# Altium PCB CM4-Tower.PcbDoc (part 10 of 10)
Units mil, origin at the board's own origin, x right, y up, seen from the top; angles counter-clockwise.
Board outline 1968.5 x 5354.33 mil, 8 copper layers (Top Layer, Layer 2, Layer 3, Layer 4, Layer 5, Layer 6, Layer 7, Bottom Layer), stack 61.408 mil thick; 632 components, 480 nets, 2338 pads, 1074 vias.
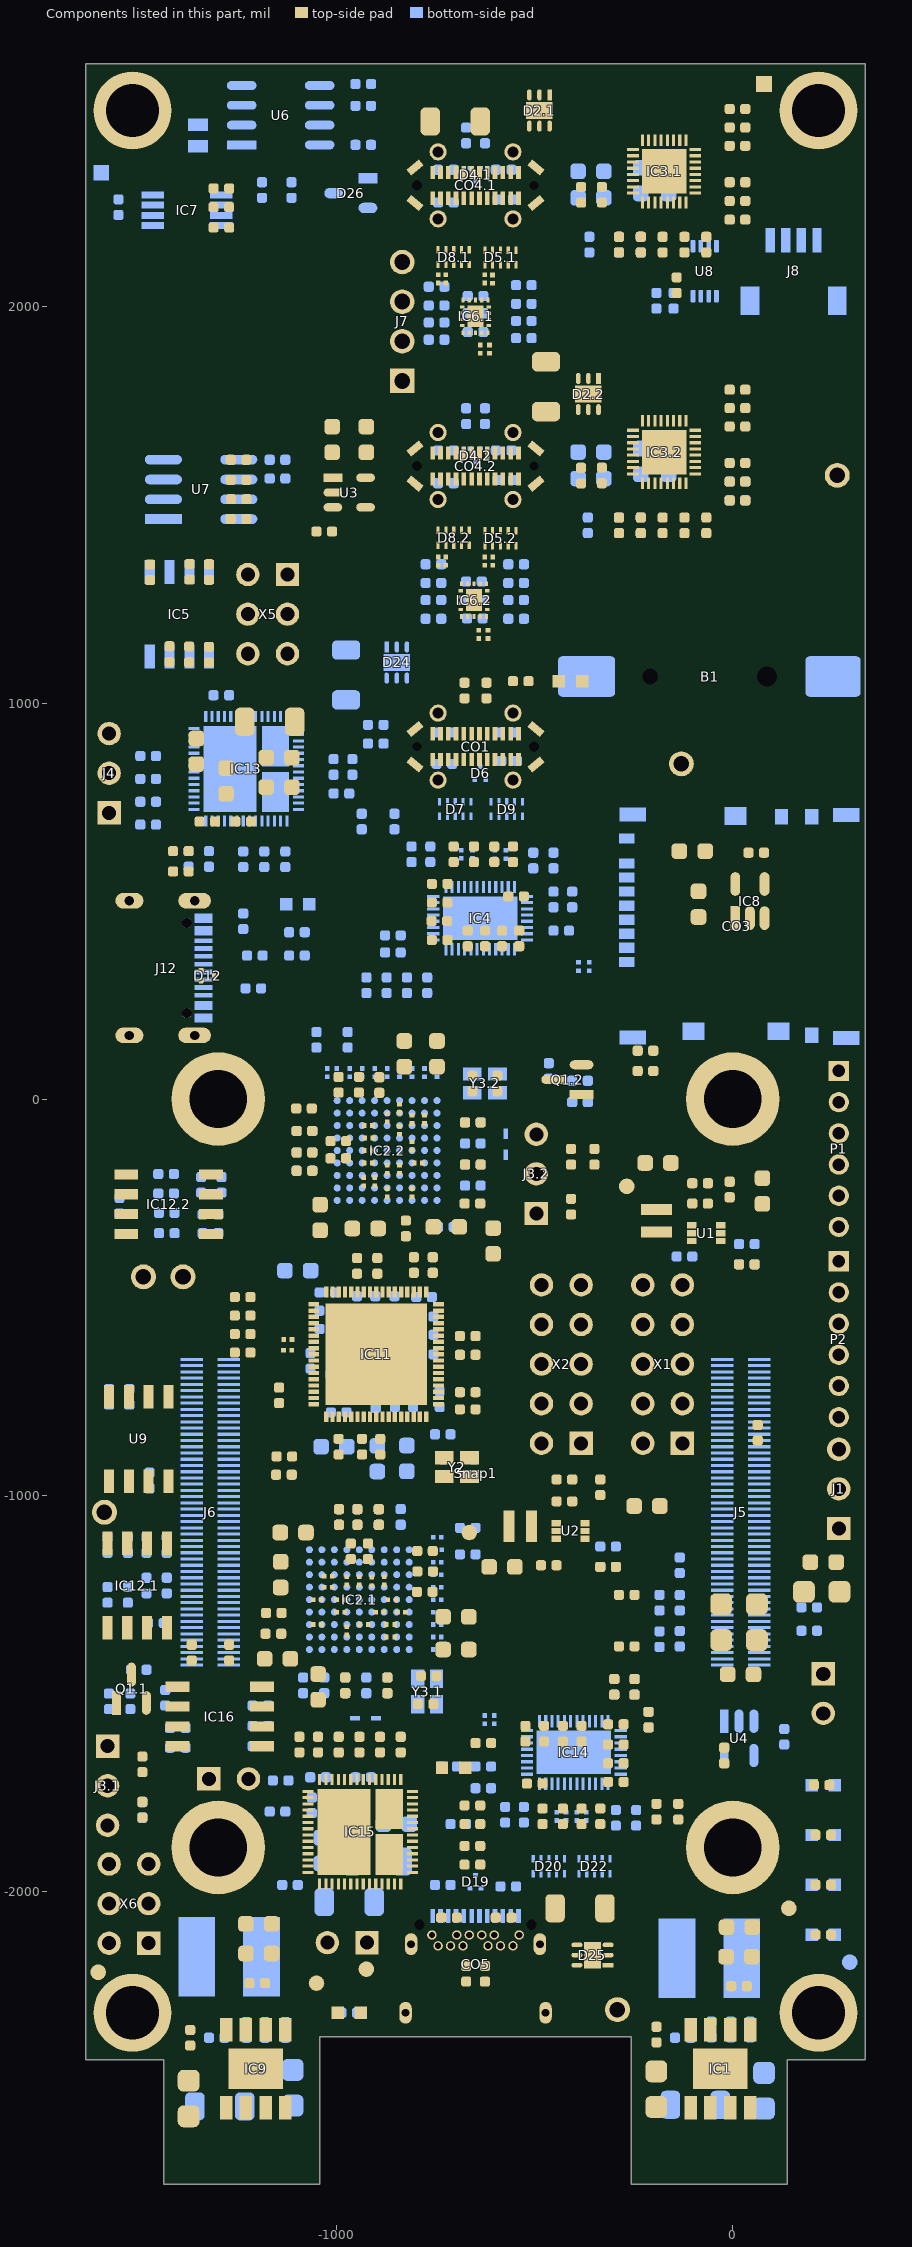
[diagram p16: the components of this part, seen from the top]

## Other copper (continued)
Layer 4 (plane layer: these items are gaps in the copper):
  pour cut-out: -1394.2,-834.8 -1394.2,-811.02 -1320.99,-811.02 -1320.99,-834.8
  pour cut-out: -1394.2,-787.56 -1394.2,-763.78 -1321.23,-763.78 -1321.23,-787.56
  pour cut-out: -1394.2,-740.31 -1394.2,-716.54 -1321.46,-716.54 -1321.46,-740.31
  pour cut-out: -327.58,-1966.74 -310.19,-1966.74 -310.19,-1985.91 -327.58,-1985.91
  pour cut-out: -442.91,-1974.62 -425.52,-1974.62 -425.52,-1993.78 -442.91,-1993.78
  pour cut-out: -578.74,-2025.8 -561.35,-2025.8 -561.35,-2044.96 -578.74,-2044.96
  pour cut-out: -657.48,-2021.86 -640.09,-2021.86 -640.09,-2041.02 -657.48,-2041.02
  pour cut-out: -736.22,-2025.8 -718.83,-2025.8 -718.83,-2044.96 -736.22,-2044.96
  pour cut-out: -383.86,308.85 -366.47,308.85 -366.47,289.69 -383.86,289.69
  pour cut-out: -383.86,308.85 -366.47,308.85 -366.47,289.69 -383.86,289.69
  pour cut-out: -445.32,336.41 -427.93,336.41 -427.93,317.24 -445.32,317.24
  pour cut-out: -622.05,-1521.86 -604.66,-1521.86 -604.66,-1541.02 -622.05,-1541.02
  pour cut-out: -570.87,-1506.11 -553.48,-1506.11 -553.48,-1525.28 -570.87,-1525.28
  pour cut-out: -569.1,-1007.87 -569.1,-1025.26 -588.27,-1025.26 -588.27,-1007.87
  pour cut-out: -482.51,-943.31 -482.51,-960.7 -501.68,-960.7 -501.68,-943.31
  pour cut-out: -535.43,-989.95 -552.82,-989.95 -552.82,-970.79 -535.43,-970.79
  pour cut-out: -653.54,-509.64 -670.93,-509.64 -670.93,-490.47 -653.54,-490.47
  pour cut-out: -595.4,-450.58 -612.79,-450.58 -612.79,-431.42 -595.4,-431.42
  pour cut-out: -828.58,-438.93 -845.97,-438.93 -845.97,-419.76 -828.58,-419.76
  pour cut-out: -773.57,-383.65 -790.96,-383.65 -790.96,-364.49 -773.57,-364.49
  pour cut-out: -850.39,-391.53 -867.78,-391.53 -867.78,-372.36 -850.39,-372.36
  pour cut-out: -915.83,-388.07 -933.22,-388.07 -933.22,-368.9 -915.83,-368.9
  pour cut-out: -984.12,-442.71 -1001.51,-442.71 -1001.51,-423.54 -984.12,-423.54
  pour cut-out: -1010.64,-411.21 -1028.03,-411.21 -1028.03,-392.05 -1010.64,-392.05
  pour cut-out: -975.19,-285.19 -992.58,-285.19 -992.58,-266.03 -975.19,-266.03
  pour cut-out: -912.25,-285.23 -929.64,-285.23 -929.64,-266.06 -912.25,-266.06
  pour cut-out: -849.26,-281.29 -866.65,-281.29 -866.65,-262.13 -849.26,-262.13
  pour cut-out: -786.27,-281.29 -803.66,-281.29 -803.66,-262.13 -786.27,-262.13
  pour cut-out: -722.91,758.23 -740.31,758.23 -740.31,777.39 -722.91,777.39
  pour cut-out: -593.5,762.02 -610.89,762.02 -610.89,781.18 -593.5,781.18
  pour cut-out: -630.52,775.74 -647.91,775.74 -647.91,794.91 -630.52,794.91
  pour cut-out: -563.54,889.77 -580.93,889.77 -580.93,908.93 -563.54,908.93
  pour cut-out: -720.47,888 -737.86,888 -737.86,907.17 -720.47,907.17
  pour cut-out: -669.26,1084.36 -686.65,1084.36 -686.65,1103.53 -669.26,1103.53
  pour cut-out: -622.05,1136.03 -639.44,1136.03 -639.44,1155.2 -622.05,1155.2
  pour cut-out: -549.21,1443.12 -566.6,1443.12 -566.6,1462.28 -549.21,1462.28
  pour cut-out: -725.77,1442.74 -743.16,1442.74 -743.16,1461.9 -725.77,1461.9
  pour cut-out: -641.73,1525.61 -659.12,1525.61 -659.12,1544.77 -641.73,1544.77
  pour cut-out: -561.88,1598.17 -579.27,1598.17 -579.27,1617.34 -561.88,1617.34
  pour cut-out: -718.5,1596.48 -735.89,1596.48 -735.89,1615.64 -718.5,1615.64
  pour cut-out: -641.73,1667.34 -659.12,1667.34 -659.12,1686.51 -641.73,1686.51
  pour cut-out: -677.17,1785.64 -694.56,1785.64 -694.56,1804.8 -677.17,1804.8
  pour cut-out: -618.11,1836.82 -635.5,1836.82 -635.5,1855.98 -618.11,1855.98
  pour cut-out: -728.35,2151.78 -745.74,2151.78 -745.74,2170.94 -728.35,2170.94
  pour cut-out: -548.78,2149.92 -566.17,2149.92 -566.17,2169.09 -548.78,2169.09
  pour cut-out: -641.73,2376.19 -659.12,2376.19 -659.12,2395.35 -641.73,2395.35
  pour cut-out: -641.73,2234.46 -659.12,2234.46 -659.12,2253.62 -641.73,2253.62
  pour cut-out: -561.88,2307.02 -579.27,2307.02 -579.27,2326.19 -561.88,2326.19
  pour cut-out: -718.5,2305.32 -735.89,2305.32 -735.89,2324.49 -718.5,2324.49
  pour cut-out: -688.85,1307.16 -665.11,1307.16 -665.11,1295.02 -688.85,1295.02
  pour cut-out: -647.66,1189.76 -612.45,1189.76 -612.45,1157.23 -647.66,1157.23
  pour cut-out: -631.88,1375.29 -600.84,1375.29 -600.84,1342.76 -631.88,1342.76
  pour cut-out: -749.87,1375.37 -718.83,1375.37 -718.83,1342.83 -749.87,1342.83
  pour cut-out: -657.35,1307.16 -633.61,1307.16 -633.61,1295.02 -657.35,1295.02
  pour cut-out: -688.85,1224.49 -665.11,1224.49 -665.11,1212.35 -688.85,1212.35
  pour cut-out: -641.61,1224.49 -617.86,1224.49 -617.86,1212.35 -641.61,1212.35
  pour cut-out: -692.99,1248.16 -692.99,1271.9 -680.85,1271.9 -680.85,1248.16
  pour cut-out: -626.06,1248.16 -626.06,1271.9 -613.92,1271.9 -613.92,1248.16
  pour cut-out: -749.87,2087.18 -718.83,2087.18 -718.83,2054.64 -749.87,2054.64
  pour cut-out: -631.88,2087.11 -600.84,2087.11 -600.84,2054.57 -631.88,2054.57
  pour cut-out: -643.57,1910.01 -608.36,1910.01 -608.36,1877.48 -643.57,1877.48
  pour cut-out: -653.89,2023.74 -630.15,2023.74 -630.15,2011.6 -653.89,2011.6
  pour cut-out: -685.39,2023.74 -661.65,2023.74 -661.65,2011.6 -685.39,2011.6
  pour cut-out: -685.39,1941.07 -661.65,1941.07 -661.65,1928.93 -685.39,1928.93
  pour cut-out: -638.15,1941.07 -614.4,1941.07 -614.4,1928.93 -638.15,1928.93
  pour cut-out: -622.17,1964.22 -622.17,1987.96 -610.03,1987.96 -610.03,1964.22
  pour cut-out: -689.1,1964.22 -689.1,1987.96 -676.96,1987.96 -676.96,1964.22
  pour cut-out: -960.63,-453.39 -960.63,-388.07 -885.83,-388.07 -885.83,-454.38
  pour cut-out: -817.16,-451.14 -817.16,-385.83 -742.35,-385.83 -742.35,-452.13
  pour cut-out: -701.42,-586.61 -636.11,-586.61 -636.11,-661.42 -702.41,-661.42
  pour cut-out: -701.42,-728.35 -636.11,-728.35 -636.11,-795.52 -702.31,-795.52
  pour cut-out: -800.91,-499.46 -800.91,-472.46 -774.26,-472.46 -774.26,-499.82
  pour cut-out: -848.15,-499.46 -848.15,-472.46 -821.51,-472.46 -821.51,-499.82
  pour cut-out: -942.64,-499.46 -942.64,-472.46 -915.99,-472.46 -915.99,-499.82
  pour cut-out: -989.89,-499.46 -989.89,-472.46 -963.24,-472.46 -963.24,-499.82
  pour cut-out: -756.45,-749.38 -729.45,-749.38 -729.45,-776.02 -729.44,-776.03 -756.8,-776.03
  pour cut-out: -756.45,-702.13 -729.45,-702.13 -729.45,-728.78 -729.44,-728.78 -756.8,-728.78
  pour cut-out: -756.45,-607.64 -729.45,-607.64 -729.45,-634.29 -729.44,-634.29 -756.8,-634.29
  pour cut-out: -756.45,-560.4 -729.45,-560.4 -729.45,-587.05 -729.44,-587.05 -756.8,-587.05
  pour cut-out: -744.09,873.69 -712.6,873.69 -712.6,840.16 -744.09,840.16
  pour cut-out: -586.61,873.69 -555.12,873.69 -555.12,840.16 -586.61,840.16
  pour cut-out: -586.61,939.04 -555.12,939.04 -555.12,905.51 -586.61,905.51
  pour cut-out: -744.09,939.04 -712.6,939.04 -712.6,905.51 -744.09,905.51
  pour cut-out: -744.09,2356.36 -712.6,2356.36 -712.6,2322.83 -744.09,2322.83
  pour cut-out: -586.61,2356.36 -555.12,2356.36 -555.12,2322.83 -586.61,2322.83
  pour cut-out: -586.61,2291.01 -555.12,2291.01 -555.12,2257.48 -586.61,2257.48
  pour cut-out: -744.09,2291.01 -712.6,2291.01 -712.6,2257.48 -744.09,2257.48
  lines w11.81: -1429.13,-2736.22 -1429.13,-2417.32 -1429.13,-2295.28 -1393.7,-2259.84 -1263.78,-2259.84 -1011.81,-2259.84 -968.5,-2216.54 -968.5,-2086.61 -968.5,-1779.53 -933.07,-1744.09 -720.47,-1744.09 -677.17,-1787.4 -677.17,-2161.42 -602.36,-2236.22 -137.8,-2236.22 43.31,-2417.32 43.31,-2661.42 -27.56,-2732.28 -248.03,-2732.28 -248.03,-2366.14 -1047.24,-2366.14 -1047.24,-2736.22 -1429.13,-2736.22 ; -169.29,-1606.3 90.55,-1866.14 311.02,-1866.14 311.02,-1055.12 -98.43,-1055.12 -169.29,-1125.98 -169.29,-1606.3
Layer 5 (plane layer: these items are gaps in the copper):
  pour cut-out: -1394.2,-834.8 -1394.2,-811.02 -1320.99,-811.02 -1320.99,-834.8
  pour cut-out: -1394.2,-787.56 -1394.2,-763.78 -1321.23,-763.78 -1321.23,-787.56
  pour cut-out: -1394.2,-740.31 -1394.2,-716.54 -1321.46,-716.54 -1321.46,-740.31
  pour cut-out: -736.22,-2025.8 -718.83,-2025.8 -718.83,-2044.96 -736.22,-2044.96
  pour cut-out: -657.48,-2021.86 -640.09,-2021.86 -640.09,-2041.02 -657.48,-2041.02
  pour cut-out: -578.74,-2025.8 -561.35,-2025.8 -561.35,-2044.96 -578.74,-2044.96
  pour cut-out: -383.86,308.85 -366.47,308.85 -366.47,289.69 -383.86,289.69
  pour cut-out: -445.32,336.41 -427.93,336.41 -427.93,317.24 -445.32,317.24
  pour cut-out: -442.91,-1974.62 -425.52,-1974.62 -425.52,-1993.78 -442.91,-1993.78
  pour cut-out: -327.58,-1966.74 -310.19,-1966.74 -310.19,-1985.91 -327.58,-1985.91
  pour cut-out: -482.51,-943.31 -482.51,-960.7 -501.68,-960.7 -501.68,-943.31
  pour cut-out: -569.1,-1007.87 -569.1,-1025.26 -588.27,-1025.26 -588.27,-1007.87
  pour cut-out: -535.43,-989.95 -552.82,-989.95 -552.82,-970.79 -535.43,-970.79
  pour cut-out: -595.4,-450.58 -612.79,-450.58 -612.79,-431.42 -595.4,-431.42
  pour cut-out: -653.54,-509.64 -670.93,-509.64 -670.93,-490.47 -653.54,-490.47
  pour cut-out: -773.57,-383.65 -790.96,-383.65 -790.96,-364.49 -773.57,-364.49
  pour cut-out: -828.58,-438.93 -845.97,-438.93 -845.97,-419.76 -828.58,-419.76
  pour cut-out: -850.39,-391.53 -867.78,-391.53 -867.78,-372.36 -850.39,-372.36
  pour cut-out: -915.83,-388.07 -933.22,-388.07 -933.22,-368.9 -915.83,-368.9
  pour cut-out: -984.12,-442.71 -1001.51,-442.71 -1001.51,-423.54 -984.12,-423.54
  pour cut-out: -1010.64,-411.21 -1028.03,-411.21 -1028.03,-392.05 -1010.64,-392.05
  pour cut-out: -975.19,-285.19 -992.58,-285.19 -992.58,-266.03 -975.19,-266.03
  pour cut-out: -912.25,-285.23 -929.64,-285.23 -929.64,-266.06 -912.25,-266.06
  pour cut-out: -849.26,-281.29 -866.65,-281.29 -866.65,-262.13 -849.26,-262.13
  pour cut-out: -786.27,-281.29 -803.66,-281.29 -803.66,-262.13 -786.27,-262.13
  pour cut-out: -563.54,889.77 -580.93,889.77 -580.93,908.93 -563.54,908.93
  pour cut-out: -720.47,888 -737.86,888 -737.86,907.17 -720.47,907.17
  pour cut-out: -722.91,758.23 -740.31,758.23 -740.31,777.39 -722.91,777.39
  pour cut-out: -593.5,762.02 -610.89,762.02 -610.89,781.18 -593.5,781.18
  pour cut-out: -630.52,775.74 -647.91,775.74 -647.91,794.91 -630.52,794.91
  pour cut-out: -622.05,1136.03 -639.44,1136.03 -639.44,1155.2 -622.05,1155.2
  pour cut-out: -669.26,1084.36 -686.65,1084.36 -686.65,1103.53 -669.26,1103.53
  pour cut-out: -549.21,1443.12 -566.6,1443.12 -566.6,1462.28 -549.21,1462.28
  pour cut-out: -725.77,1442.74 -743.16,1442.74 -743.16,1461.9 -725.77,1461.9
  pour cut-out: -641.73,1525.61 -659.12,1525.61 -659.12,1544.77 -641.73,1544.77
  pour cut-out: -561.88,1598.17 -579.27,1598.17 -579.27,1617.34 -561.88,1617.34
  pour cut-out: -718.5,1596.48 -735.89,1596.48 -735.89,1615.64 -718.5,1615.64
  pour cut-out: -641.73,1667.34 -659.12,1667.34 -659.12,1686.51 -641.73,1686.51
  pour cut-out: -677.17,1785.64 -694.56,1785.64 -694.56,1804.8 -677.17,1804.8
  pour cut-out: -618.11,1836.82 -635.5,1836.82 -635.5,1855.98 -618.11,1855.98
  pour cut-out: -548.78,2149.92 -566.17,2149.92 -566.17,2169.09 -548.78,2169.09
  pour cut-out: -728.35,2151.78 -745.74,2151.78 -745.74,2170.94 -728.35,2170.94
  pour cut-out: -718.5,2305.32 -735.89,2305.32 -735.89,2324.49 -718.5,2324.49
  pour cut-out: -641.73,2234.46 -659.12,2234.46 -659.12,2253.62 -641.73,2253.62
  pour cut-out: -561.88,2307.02 -579.27,2307.02 -579.27,2326.19 -561.88,2326.19
  pour cut-out: -641.73,2376.19 -659.12,2376.19 -659.12,2395.35 -641.73,2395.35
  pour cut-out: -688.85,1307.16 -665.11,1307.16 -665.11,1295.02 -688.85,1295.02
  pour cut-out: -647.66,1189.76 -612.45,1189.76 -612.45,1157.23 -647.66,1157.23
  pour cut-out: -631.88,1375.29 -600.84,1375.29 -600.84,1342.76 -631.88,1342.76
  pour cut-out: -749.87,1375.37 -718.83,1375.37 -718.83,1342.83 -749.87,1342.83
  pour cut-out: -657.35,1307.16 -633.61,1307.16 -633.61,1295.02 -657.35,1295.02
  pour cut-out: -688.85,1224.49 -665.11,1224.49 -665.11,1212.35 -688.85,1212.35
  pour cut-out: -641.61,1224.49 -617.86,1224.49 -617.86,1212.35 -641.61,1212.35
  pour cut-out: -692.99,1248.16 -692.99,1271.9 -680.85,1271.9 -680.85,1248.16
  pour cut-out: -626.06,1248.16 -626.06,1271.9 -613.92,1271.9 -613.92,1248.16
  pour cut-out: -749.87,2087.18 -718.83,2087.18 -718.83,2054.64 -749.87,2054.64
  pour cut-out: -631.88,2087.11 -600.84,2087.11 -600.84,2054.57 -631.88,2054.57
  pour cut-out: -643.57,1910.01 -608.36,1910.01 -608.36,1877.48 -643.57,1877.48
  pour cut-out: -653.89,2023.74 -630.15,2023.74 -630.15,2011.6 -653.89,2011.6
  pour cut-out: -685.39,2023.74 -661.65,2023.74 -661.65,2011.6 -685.39,2011.6
  pour cut-out: -685.39,1941.07 -661.65,1941.07 -661.65,1928.93 -685.39,1928.93
  pour cut-out: -638.15,1941.07 -614.4,1941.07 -614.4,1928.93 -638.15,1928.93
  pour cut-out: -622.17,1964.22 -622.17,1987.96 -610.03,1987.96 -610.03,1964.22
  pour cut-out: -689.1,1964.22 -689.1,1987.96 -676.96,1987.96 -676.96,1964.22
  pour cut-out: -960.63,-453.39 -960.63,-388.07 -885.83,-388.07 -885.83,-454.38
  pour cut-out: -817.16,-451.14 -817.16,-385.83 -742.35,-385.83 -742.35,-452.13
  pour cut-out: -701.42,-586.61 -636.11,-586.61 -636.11,-661.42 -702.41,-661.42
  pour cut-out: -701.42,-728.35 -636.11,-728.35 -636.11,-795.52 -702.31,-795.52
  pour cut-out: -800.91,-499.46 -800.91,-472.46 -774.26,-472.46 -774.26,-499.82
  pour cut-out: -848.15,-499.46 -848.15,-472.46 -821.51,-472.46 -821.51,-499.82
  pour cut-out: -942.64,-499.46 -942.64,-472.46 -915.99,-472.46 -915.99,-499.82
  pour cut-out: -989.89,-499.46 -989.89,-472.46 -963.24,-472.46 -963.24,-499.82
  pour cut-out: -756.45,-749.38 -729.45,-749.38 -729.45,-776.02 -729.44,-776.03 -756.8,-776.03
  pour cut-out: -756.45,-702.13 -729.45,-702.13 -729.45,-728.78 -729.44,-728.78 -756.8,-728.78
  pour cut-out: -756.45,-607.64 -729.45,-607.64 -729.45,-634.29 -729.44,-634.29 -756.8,-634.29
  pour cut-out: -756.45,-560.4 -729.45,-560.4 -729.45,-587.05 -729.44,-587.05 -756.8,-587.05
  pour cut-out: -744.09,873.69 -712.6,873.69 -712.6,840.16 -744.09,840.16
  pour cut-out: -586.61,873.69 -555.12,873.69 -555.12,840.16 -586.61,840.16
  pour cut-out: -586.61,939.04 -555.12,939.04 -555.12,905.51 -586.61,905.51
  pour cut-out: -744.09,939.04 -712.6,939.04 -712.6,905.51 -744.09,905.51
  pour cut-out: -744.09,1582.35 -712.6,1582.35 -712.6,1548.82 -744.09,1548.82
  pour cut-out: -586.61,1582.35 -555.12,1582.35 -555.12,1548.82 -586.61,1548.82
  pour cut-out: -586.61,1647.7 -555.12,1647.7 -555.12,1614.17 -586.61,1614.17
  pour cut-out: -744.09,1647.7 -712.6,1647.7 -712.6,1614.17 -744.09,1614.17
  pour cut-out: -744.09,2291.01 -712.6,2291.01 -712.6,2257.48 -744.09,2257.48
  pour cut-out: -586.61,2291.01 -555.12,2291.01 -555.12,2257.48 -586.61,2257.48
  pour cut-out: -586.61,2356.36 -555.12,2356.36 -555.12,2322.83 -586.61,2322.83
  pour cut-out: -744.09,2356.36 -712.6,2356.36 -712.6,2322.83 -744.09,2322.83
  lines w11.81: -1417.32,-1066.93 -1417.32,-590.55 -1082.68,-255.91 -779.53,-255.91 -732.28,-208.66 -732.28,-86.61 -681.1,-35.43 -535.43,-35.43 -507.87,-7.87 -507.87,19.68 -507.87,59.06 -507.87,66.93 -566.93,125.98 -897.64,125.98 -929.13,94.49 -1055.12,-31.5 -1515.75,-492.13 -1515.75,-1228.35 -1358.27,-1385.83 -1074.8,-1385.83 -881.89,-1385.83 -830.71,-1437.01 -830.71,-1515.75 -799.21,-1547.24 -704.72,-1547.24 -669.29,-1511.81 -669.29,-1350.39 -562.99,-1244.09 -509.84,-1244.09 -303.15,-1244.09 -275.59,-1216.54 -275.59,-1145.67 -385.83,-1035.43 -637.8,-1035.43 -740.8,-1138.44 -1163.77,-1138.44 -1202.53,-1177.2 -1342.48,-1177.2 -1417.32,-1102.36 -1417.32,-1059.06 ; -1074.8,-259.84 -783.46,-259.84 -783.46,-338.58 -708.66,-413.39 -531.5,-413.39 -307.09,-188.98 -149.61,-188.98 -125.98,-212.6 ; -681.1,-1078.74 -645.67,-1043.31 -551.18,-948.82 -551.18,-870.08 -551.18,-767.72 -551.18,-685.04 -295.28,-429.13 74.8,-429.13 82.68,-421.26 82.68,-385.83 70.87,-374.02 -114.17,-374.02 -125.98,-362.2 -125.98,-212.6 ; -125.98,-224.41 -125.98,-212.6 ; -866.14,-2078.74 -866.14,-1724.41 -834.65,-1692.91 -437.01,-1692.91 -279.53,-1850.39 -279.53,-2129.92 -358.27,-2208.66 -736.22,-2208.66 -866.14,-2078.74
Layer 7 (plane layer: these items are gaps in the copper):
  pour cut-out: -1394.2,-834.8 -1394.2,-811.02 -1320.99,-811.02 -1320.99,-834.8
  pour cut-out: -1394.2,-787.56 -1394.2,-763.78 -1321.23,-763.78 -1321.23,-787.56
  pour cut-out: -1394.2,-740.31 -1394.2,-716.54 -1321.46,-716.54 -1321.46,-740.31
  pour cut-out: -720.47,-2045.07 -737.86,-2045.07 -737.86,-2025.91 -720.47,-2025.91
  pour cut-out: -641.73,-2041.13 -659.12,-2041.13 -659.12,-2021.97 -641.73,-2021.97
  pour cut-out: -562.99,-2045.07 -580.38,-2045.07 -580.38,-2025.91 -562.99,-2025.91
  pour cut-out: -427.17,-1993.89 -444.56,-1993.89 -444.56,-1974.72 -427.17,-1974.72
  pour cut-out: -311.83,-1986.01 -329.22,-1986.01 -329.22,-1966.85 -311.83,-1966.85
  pour cut-out: -588.38,-1023.62 -588.38,-1006.23 -569.21,-1006.23 -569.21,-1023.62
  pour cut-out: -501.78,-959.06 -501.78,-941.67 -482.62,-941.67 -482.62,-959.06
  pour cut-out: -551.18,-970.68 -533.79,-970.68 -533.79,-989.84 -551.18,-989.84
  pour cut-out: -669.29,-490.36 -651.9,-490.36 -651.9,-509.53 -669.29,-509.53
  pour cut-out: -611.15,-431.31 -593.76,-431.31 -593.76,-450.47 -611.15,-450.47
  pour cut-out: -990.93,-265.92 -973.54,-265.92 -973.54,-285.08 -990.93,-285.08
  pour cut-out: -928,-265.96 -910.61,-265.95 -910.61,-285.12 -928,-285.12
  pour cut-out: -865.01,-262.02 -847.62,-262.02 -847.62,-281.18 -865.01,-281.18
  pour cut-out: -802.01,-262.02 -784.62,-262.02 -784.62,-281.18 -802.01,-281.18
  pour cut-out: -789.32,-364.38 -771.93,-364.38 -771.93,-383.54 -789.32,-383.54
  pour cut-out: -931.58,-368.79 -914.19,-368.79 -914.19,-387.96 -931.58,-387.96
  pour cut-out: -1026.39,-391.94 -1009,-391.94 -1009,-411.1 -1026.39,-411.1
  pour cut-out: -999.86,-423.44 -982.47,-423.44 -982.47,-442.6 -999.86,-442.6
  pour cut-out: -844.33,-419.65 -826.94,-419.65 -826.94,-438.82 -844.33,-438.82
  pour cut-out: -383.86,308.85 -366.47,308.85 -366.47,289.69 -383.86,289.69
  pour cut-out: -445.32,336.41 -427.93,336.41 -427.93,317.24 -445.32,317.24
  pour cut-out: -736.22,907.27 -718.83,907.27 -718.83,888.11 -736.22,888.11
  pour cut-out: -579.29,909.04 -561.9,909.04 -561.9,889.87 -579.29,889.87
  pour cut-out: -609.25,781.29 -591.86,781.29 -591.86,762.13 -609.25,762.13
  pour cut-out: -738.66,777.5 -721.27,777.5 -721.27,758.34 -738.66,758.34
  pour cut-out: -685,1103.63 -667.61,1103.63 -667.61,1084.47 -685,1084.47
  pour cut-out: -637.8,1155.3 -620.4,1155.31 -620.4,1136.14 -637.8,1136.14
  pour cut-out: -564.96,1462.39 -547.57,1462.39 -547.57,1443.23 -564.96,1443.23
  pour cut-out: -577.63,1617.44 -560.24,1617.45 -560.24,1598.28 -577.63,1598.28
  pour cut-out: -734.25,1615.75 -716.86,1615.75 -716.86,1596.58 -734.25,1596.58
  pour cut-out: -741.52,1462.01 -724.13,1462.01 -724.13,1442.84 -741.52,1442.84
  pour cut-out: -657.48,1544.88 -640.09,1544.88 -640.09,1525.72 -657.48,1525.72
  pour cut-out: -657.48,1686.61 -640.09,1686.61 -640.09,1667.45 -657.48,1667.45
  pour cut-out: -633.86,1856.09 -616.47,1856.09 -616.47,1836.93 -633.86,1836.93
  pour cut-out: -692.91,1804.91 -675.52,1804.91 -675.52,1785.75 -692.91,1785.75
  pour cut-out: -564.53,2169.19 -547.14,2169.19 -547.14,2150.03 -564.53,2150.03
  pour cut-out: -744.09,2171.05 -726.7,2171.05 -726.7,2151.89 -744.09,2151.89
  pour cut-out: -657.48,2253.73 -640.09,2253.73 -640.09,2234.57 -657.48,2234.57
  pour cut-out: -734.25,2324.6 -716.86,2324.6 -716.86,2305.43 -734.25,2305.43
  pour cut-out: -657.48,2395.46 -640.09,2395.46 -640.09,2376.3 -657.48,2376.3
  pour cut-out: -688.85,1307.16 -665.11,1307.16 -665.11,1295.02 -688.85,1295.02
  pour cut-out: -647.66,1189.76 -612.45,1189.76 -612.45,1157.23 -647.66,1157.23
  pour cut-out: -631.88,1375.29 -600.84,1375.29 -600.84,1342.76 -631.88,1342.76
  pour cut-out: -749.87,1375.37 -718.83,1375.37 -718.83,1342.83 -749.87,1342.83
  pour cut-out: -657.35,1307.16 -633.61,1307.16 -633.61,1295.02 -657.35,1295.02
  pour cut-out: -688.85,1224.49 -665.11,1224.49 -665.11,1212.35 -688.85,1212.35
  pour cut-out: -641.61,1224.49 -617.86,1224.49 -617.86,1212.35 -641.61,1212.35
  pour cut-out: -692.99,1248.16 -692.99,1271.9 -680.85,1271.9 -680.85,1248.16
  pour cut-out: -626.06,1248.16 -626.06,1271.9 -613.92,1271.9 -613.92,1248.16
  pour cut-out: -749.87,2087.18 -718.83,2087.18 -718.83,2054.64 -749.87,2054.64
  pour cut-out: -631.88,2087.11 -600.84,2087.11 -600.84,2054.57 -631.88,2054.57
  pour cut-out: -643.57,1910.01 -608.36,1910.01 -608.36,1877.48 -643.57,1877.48
  pour cut-out: -653.89,2023.74 -630.15,2023.74 -630.15,2011.6 -653.89,2011.6
  pour cut-out: -685.39,2023.74 -661.65,2023.74 -661.65,2011.6 -685.39,2011.6
  pour cut-out: -685.39,1941.07 -661.65,1941.07 -661.65,1928.93 -685.39,1928.93
  pour cut-out: -638.15,1941.07 -614.4,1941.07 -614.4,1928.93 -638.15,1928.93
  pour cut-out: -622.17,1964.22 -622.17,1987.96 -610.03,1987.96 -610.03,1964.22
  pour cut-out: -689.1,1964.22 -689.1,1987.96 -676.96,1987.96 -676.96,1964.22
  pour cut-out: -960.63,-453.39 -960.63,-388.07 -885.83,-388.07 -885.83,-454.38
  pour cut-out: -817.16,-451.14 -817.16,-385.83 -742.35,-385.83 -742.35,-452.13
  pour cut-out: -701.42,-586.61 -636.11,-586.61 -636.11,-661.42 -702.41,-661.42
  pour cut-out: -701.42,-728.35 -636.11,-728.35 -636.11,-795.52 -702.31,-795.52
  pour cut-out: -800.91,-499.46 -800.91,-472.46 -774.26,-472.46 -774.26,-499.82
  pour cut-out: -848.15,-499.46 -848.15,-472.46 -821.51,-472.46 -821.51,-499.82
  pour cut-out: -942.64,-499.46 -942.64,-472.46 -915.99,-472.46 -915.99,-499.82
  pour cut-out: -989.89,-499.46 -989.89,-472.46 -963.24,-472.46 -963.24,-499.82
  pour cut-out: -756.45,-749.38 -729.45,-749.38 -729.45,-776.02 -729.44,-776.03 -756.8,-776.03
  pour cut-out: -756.45,-702.13 -729.45,-702.13 -729.45,-728.78 -729.44,-728.78 -756.8,-728.78
  pour cut-out: -756.45,-607.64 -729.45,-607.64 -729.45,-634.29 -729.44,-634.29 -756.8,-634.29
  pour cut-out: -756.45,-560.4 -729.45,-560.4 -729.45,-587.05 -729.44,-587.05 -756.8,-587.05
  pour cut-out: -744.09,873.69 -712.6,873.69 -712.6,840.16 -744.09,840.16
  pour cut-out: -586.61,873.69 -555.12,873.69 -555.12,840.16 -586.61,840.16
  pour cut-out: -586.61,939.04 -555.12,939.04 -555.12,905.51 -586.61,905.51
  pour cut-out: -744.09,939.04 -712.6,939.04 -712.6,905.51 -744.09,905.51
  pour cut-out: -744.09,1582.35 -712.6,1582.35 -712.6,1548.82 -744.09,1548.82
  pour cut-out: -586.61,1582.35 -555.12,1582.35 -555.12,1548.82 -586.61,1548.82
  pour cut-out: -586.61,1647.7 -555.12,1647.7 -555.12,1614.17 -586.61,1614.17
  pour cut-out: -744.09,1647.7 -712.6,1647.7 -712.6,1614.17 -744.09,1614.17
  pour cut-out: -744.09,2291.01 -712.6,2291.01 -712.6,2257.48 -744.09,2257.48
  pour cut-out: -586.61,2291.01 -555.12,2291.01 -555.12,2257.48 -586.61,2257.48
  pour cut-out: -586.61,2356.36 -555.12,2356.36 -555.12,2322.83 -586.61,2322.83
  pour cut-out: -744.09,2356.36 -712.6,2356.36 -712.6,2322.83 -744.09,2322.83

## Silkscreen, mask and mechanical layers (free items; w line width, h text height)
Top Overlay:
  text "CM4 Tower / V1.2  23.03" at -165.35,251.97 h59.06
Bottom Overlay:
  text "CM4 Tower V1.2  23.03" at 291.34,1803.86 h59.06
  text "SCL / SDA / GND" at -1543.31,566.93 h39.37
  text "GND" at 208.66,-901.1 h39.37
  text "RX" at 200.79,-1003.94 h39.37
  text "TX" at 200.79,-1098.43 h39.37
  text "BOOT" at 275.59,-1637.32 h39.37
  text "RX" at -1468.5,-1673.23 h39.37
  text "TX" at -1468.5,-1712.6 h39.37
  text "ACT" at 263.78,-1798.78 h39.37
  text "PWR" at 267.72,-1921.26 h39.37
  text "RUN" at 263.78,-2050.71 h39.37
  text "5V" at 248.03,-2172.76 h39.37
  text "VIN" at -893.7,-2216.54 h39.37
Board Shape:
  the board outline again, w3.94
Mechanical 15:
  lines w0.98: -1279.52,748 -1279.52,1063.27 -19.37,1063.27 -19.37,748 -1279.52,748 ; -1279.52,1456.66 -1279.52,1771.94 -19.37,1771.94 -19.37,1456.66 -1279.52,1456.66 ; -1279.52,2165.32 -1279.52,2480.6 -19.37,2480.6 -19.37,2165.32 -1279.52,2165.32

## Text inside footprints (layer, text, board x,y; h text height)
Snap1: Mechanical 15 "CON A" at -9.05,-944.76 h78.74 r270; Mechanical 15 "CON B" at -1344.05,-949.76 h78.74 r270